# KiCad board Breakout_1999_Dodge_Dakota.kicad_pcb
title: 1999 Dodge Dakota Based on rusEFI/proteus; date: 2023-08-12; rev: R0.1; company: rusEFI
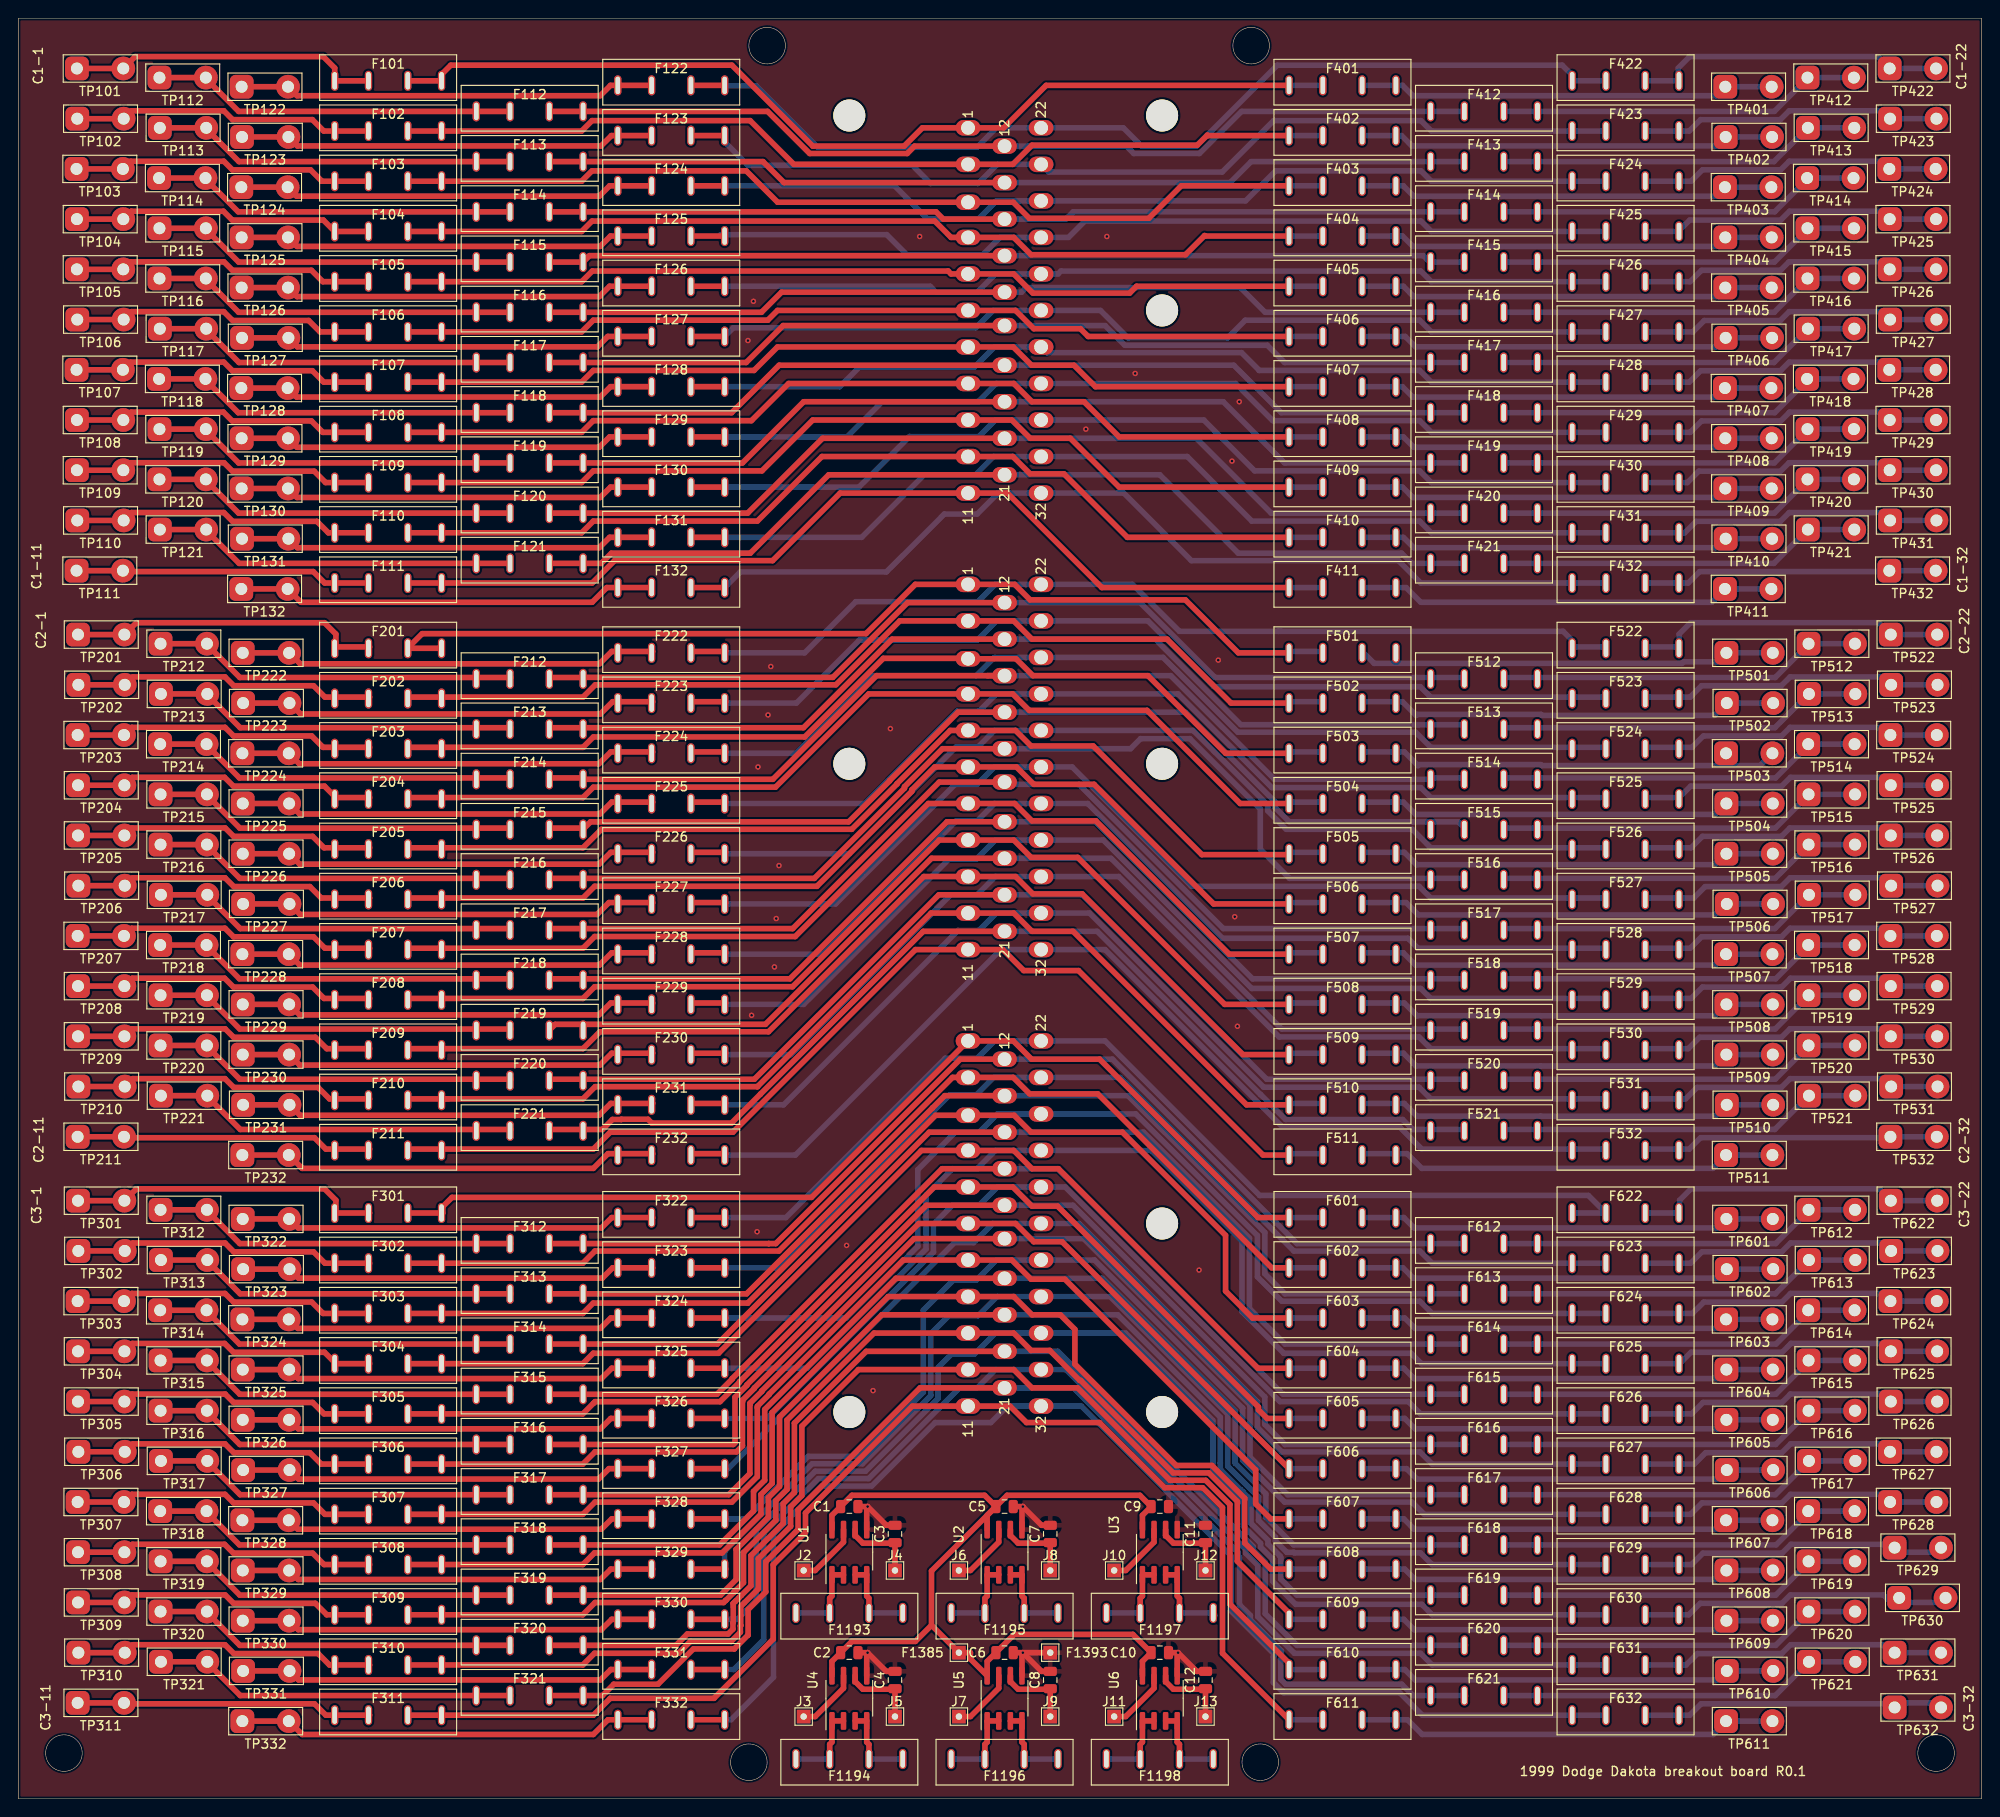
[diagram p0: board, top side]
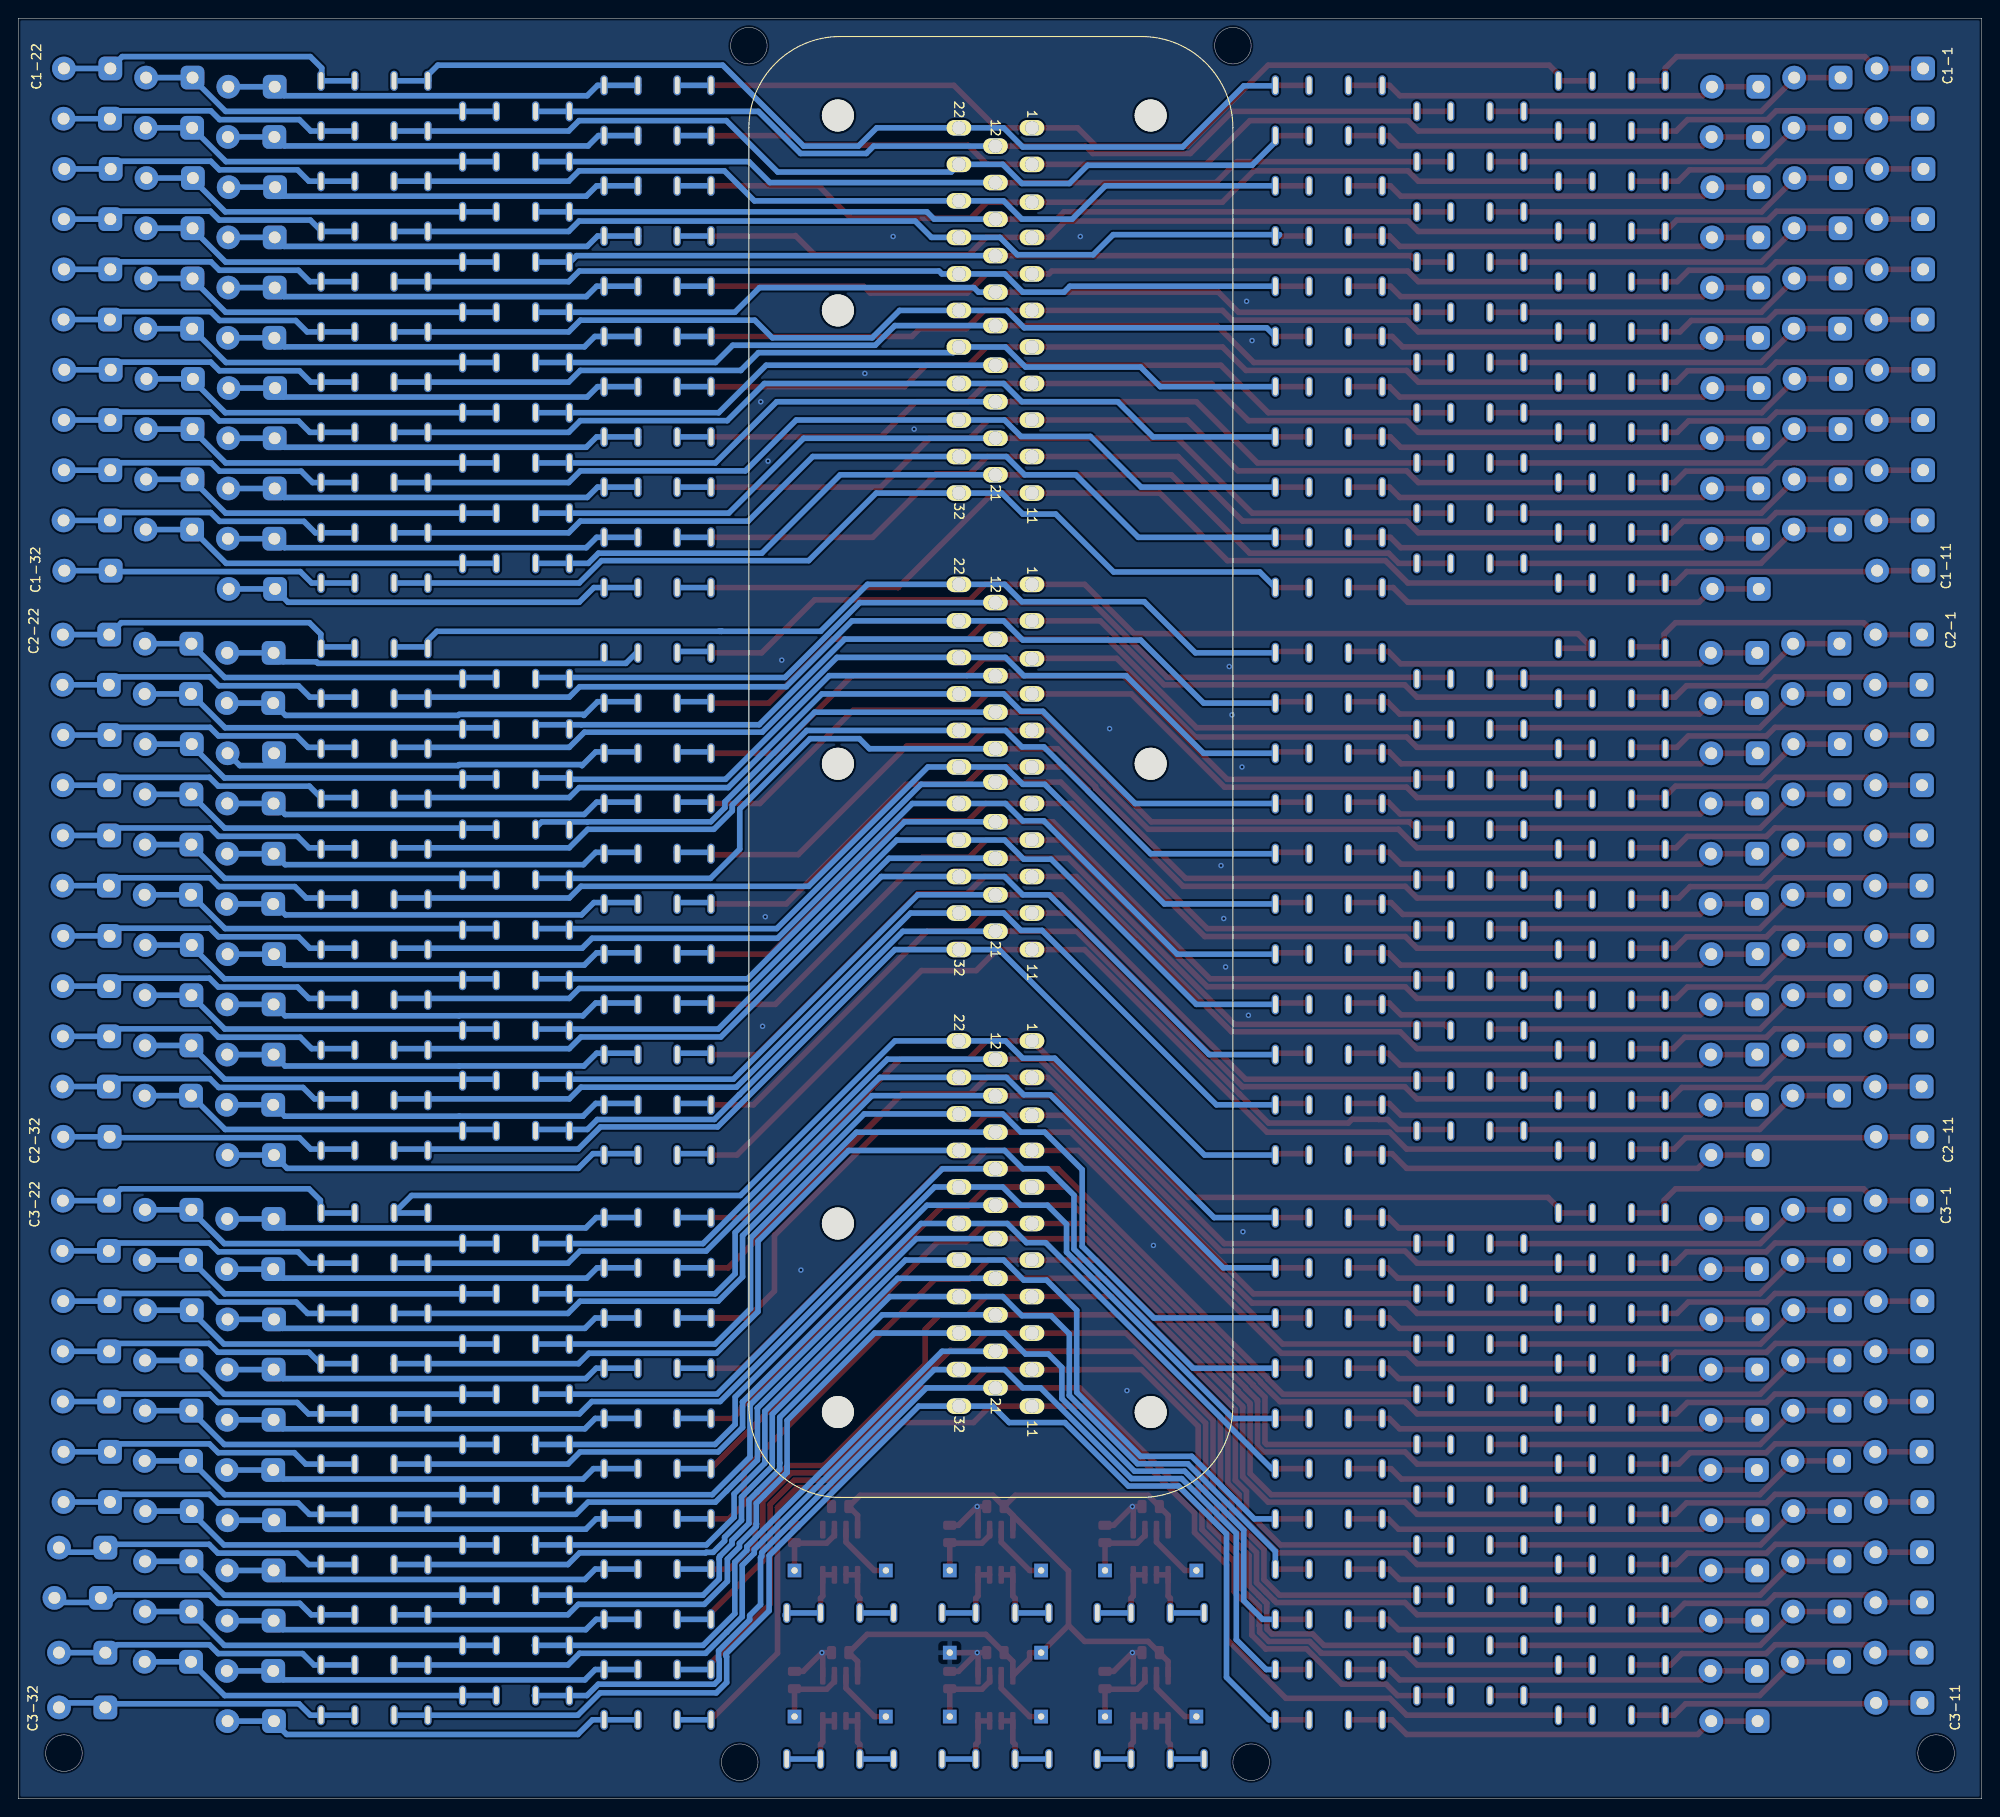
[diagram p1: board, bottom side, seen from below]

Outline 215 x 195 mm; copper layers: Top, Bottom. Coordinates in mm from the lower left corner of the outline.
Outline path: rectangle 0,195 215,0 ; circle c5,5 r2 ; circle c80,4 r2 ; circle c82,192 r2 ; circle c135,192 r2 ; circle c136,4 r2 ; circle c210,5 r2
Stack: Top 0.035mm / dielectric 0.48mm FR4 er 4.5 / Bottom 0.035mm

## Placement (name value [footprint] x y rotation side)
C1  100nf  [C_0805_2012Metric]  91 32 0 top
C2  100nf  [C_0805_2012Metric]  91 16 0 top
C3  1nf  [C_0805_2012Metric]  96 29 90 top
C4  1nf  [C_0805_2012Metric]  96 13 90 top
C5  100nf  [C_0805_2012Metric]  108 32 0 top
C6  100nf  [C_0805_2012Metric]  108 16 0 top
C7  1nf  [C_0805_2012Metric]  113 29 90 top
C8  1nf  [C_0805_2012Metric]  113 13 90 top
C9  100nf  [C_0805_2012Metric]  125 32 0 top
C10  100nf  [C_0805_2012Metric]  125 16 0 top
C11  1nf  [C_0805_2012Metric]  130 29 90 top
C12  1nf  [C_0805_2012Metric]  130 13 90 top
F101  Fuse_Holder  [LCSC_C2935870_Fuse_holder]  40.5 188.5 0 top
F102  Fuse_Holder  [LCSC_C2935870_Fuse_holder]  40.5 183 0 top
F103  Fuse_Holder  [LCSC_C2935870_Fuse_holder]  40.5 177.5 0 top
F104  Fuse_Holder  [LCSC_C2935870_Fuse_holder]  40.5 172 0 top
F105  Fuse_Holder  [LCSC_C2935870_Fuse_holder]  40.5 166.5 0 top
F106  Fuse_Holder  [LCSC_C2935870_Fuse_holder]  40.5 161 0 top
F107  Fuse_Holder  [LCSC_C2935870_Fuse_holder]  40.5 155.5 0 top
F108  Fuse_Holder  [LCSC_C2935870_Fuse_holder]  40.5 150 0 top
F109  Fuse_Holder  [LCSC_C2935870_Fuse_holder]  40.5 144.5 0 top
F110  Fuse_Holder  [LCSC_C2935870_Fuse_holder]  40.5 139 0 top
F111  Fuse_Holder  [LCSC_C2935870_Fuse_holder]  40.5 133.5 0 top
F112  Fuse_Holder  [LCSC_C2935870_Fuse_holder]  56 185.15 0 top
F113  Fuse_Holder  [LCSC_C2935870_Fuse_holder]  56 179.65 0 top
F114  Fuse_Holder  [LCSC_C2935870_Fuse_holder]  56 174.15 0 top
F115  Fuse_Holder  [LCSC_C2935870_Fuse_holder]  56 168.65 0 top
F116  Fuse_Holder  [LCSC_C2935870_Fuse_holder]  56 163.15 0 top
F117  Fuse_Holder  [LCSC_C2935870_Fuse_holder]  56 157.65 0 top
F118  Fuse_Holder  [LCSC_C2935870_Fuse_holder]  56 152.15 0 top
F119  Fuse_Holder  [LCSC_C2935870_Fuse_holder]  56 146.65 0 top
F120  Fuse_Holder  [LCSC_C2935870_Fuse_holder]  56 141.15 0 top
F121  Fuse_Holder  [LCSC_C2935870_Fuse_holder]  56 135.65 0 top
F122  Fuse_Holder  [LCSC_C2935870_Fuse_holder]  71.5 188 0 top
F123  Fuse_Holder  [LCSC_C2935870_Fuse_holder]  71.5 182.5 0 top
F124  Fuse_Holder  [LCSC_C2935870_Fuse_holder]  71.5 177 0 top
F125  Fuse_Holder  [LCSC_C2935870_Fuse_holder]  71.5 171.5 0 top
F126  Fuse_Holder  [LCSC_C2935870_Fuse_holder]  71.5 166 0 top
F127  Fuse_Holder  [LCSC_C2935870_Fuse_holder]  71.5 160.5 0 top
F128  Fuse_Holder  [LCSC_C2935870_Fuse_holder]  71.5 155 0 top
F129  Fuse_Holder  [LCSC_C2935870_Fuse_holder]  71.5 149.5 0 top
F130  Fuse_Holder  [LCSC_C2935870_Fuse_holder]  71.5 144 0 top
F131  Fuse_Holder  [LCSC_C2935870_Fuse_holder]  71.5 138.5 0 top
F132  Fuse_Holder  [LCSC_C2935870_Fuse_holder]  71.5 133 0 top
F201  Fuse_Holder  [LCSC_C2935870_Fuse_holder]  40.5 126.35 0 top
F202  Fuse_Holder  [LCSC_C2935870_Fuse_holder]  40.5 120.85 0 top
F203  Fuse_Holder  [LCSC_C2935870_Fuse_holder]  40.5 115.35 0 top
F204  Fuse_Holder  [LCSC_C2935870_Fuse_holder]  40.5 109.85 0 top
F205  Fuse_Holder  [LCSC_C2935870_Fuse_holder]  40.5 104.35 0 top
F206  Fuse_Holder  [LCSC_C2935870_Fuse_holder]  40.5 98.85 0 top
F207  Fuse_Holder  [LCSC_C2935870_Fuse_holder]  40.5 93.35 0 top
F208  Fuse_Holder  [LCSC_C2935870_Fuse_holder]  40.5 87.85 0 top
F209  Fuse_Holder  [LCSC_C2935870_Fuse_holder]  40.5 82.35 0 top
F210  Fuse_Holder  [LCSC_C2935870_Fuse_holder]  40.5 76.85 0 top
F211  Fuse_Holder  [LCSC_C2935870_Fuse_holder]  40.5 71.35 0 top
F212  Fuse_Holder  [LCSC_C2935870_Fuse_holder]  56 123 0 top
F213  Fuse_Holder  [LCSC_C2935870_Fuse_holder]  56 117.5 0 top
F214  Fuse_Holder  [LCSC_C2935870_Fuse_holder]  56 112 0 top
F215  Fuse_Holder  [LCSC_C2935870_Fuse_holder]  56 106.5 0 top
F216  Fuse_Holder  [LCSC_C2935870_Fuse_holder]  56 101 0 top
F217  Fuse_Holder  [LCSC_C2935870_Fuse_holder]  56 95.5 0 top
F218  Fuse_Holder  [LCSC_C2935870_Fuse_holder]  56 90 0 top
F219  Fuse_Holder  [LCSC_C2935870_Fuse_holder]  56 84.5 0 top
F220  Fuse_Holder  [LCSC_C2935870_Fuse_holder]  56 79 0 top
F221  Fuse_Holder  [LCSC_C2935870_Fuse_holder]  56 73.5 0 top
F222  Fuse_Holder  [LCSC_C2935870_Fuse_holder]  71.5 125.85 0 top
F223  Fuse_Holder  [LCSC_C2935870_Fuse_holder]  71.5 120.35 0 top
F224  Fuse_Holder  [LCSC_C2935870_Fuse_holder]  71.5 114.85 0 top
F225  Fuse_Holder  [LCSC_C2935870_Fuse_holder]  71.5 109.35 0 top
F226  Fuse_Holder  [LCSC_C2935870_Fuse_holder]  71.5 103.85 0 top
F227  Fuse_Holder  [LCSC_C2935870_Fuse_holder]  71.5 98.35 0 top
F228  Fuse_Holder  [LCSC_C2935870_Fuse_holder]  71.5 92.85 0 top
F229  Fuse_Holder  [LCSC_C2935870_Fuse_holder]  71.5 87.35 0 top
F230  Fuse_Holder  [LCSC_C2935870_Fuse_holder]  71.5 81.85 0 top
F231  Fuse_Holder  [LCSC_C2935870_Fuse_holder]  71.5 76.35 0 top
F232  Fuse_Holder  [LCSC_C2935870_Fuse_holder]  71.5 70.85 0 top
F301  Fuse_Holder  [LCSC_C2935870_Fuse_holder]  40.5 64.5 0 top
F302  Fuse_Holder  [LCSC_C2935870_Fuse_holder]  40.5 59 0 top
F303  Fuse_Holder  [LCSC_C2935870_Fuse_holder]  40.5 53.5 0 top
F304  Fuse_Holder  [LCSC_C2935870_Fuse_holder]  40.5 48 0 top
F305  Fuse_Holder  [LCSC_C2935870_Fuse_holder]  40.5 42.5 0 top
F306  Fuse_Holder  [LCSC_C2935870_Fuse_holder]  40.5 37 0 top
F307  Fuse_Holder  [LCSC_C2935870_Fuse_holder]  40.5 31.5 0 top
F308  Fuse_Holder  [LCSC_C2935870_Fuse_holder]  40.5 26 0 top
F309  Fuse_Holder  [LCSC_C2935870_Fuse_holder]  40.5 20.5 0 top
F310  Fuse_Holder  [LCSC_C2935870_Fuse_holder]  40.5 15 0 top
F311  Fuse_Holder  [LCSC_C2935870_Fuse_holder]  40.5 9.5 0 top
F312  Fuse_Holder  [LCSC_C2935870_Fuse_holder]  56 61.15 0 top
F313  Fuse_Holder  [LCSC_C2935870_Fuse_holder]  56 55.65 0 top
F314  Fuse_Holder  [LCSC_C2935870_Fuse_holder]  56 50.15 0 top
F315  Fuse_Holder  [LCSC_C2935870_Fuse_holder]  56 44.65 0 top
F316  Fuse_Holder  [LCSC_C2935870_Fuse_holder]  56 39.15 0 top
F317  Fuse_Holder  [LCSC_C2935870_Fuse_holder]  56 33.65 0 top
F318  Fuse_Holder  [LCSC_C2935870_Fuse_holder]  56 28.15 0 top
F319  Fuse_Holder  [LCSC_C2935870_Fuse_holder]  56 22.65 0 top
F320  Fuse_Holder  [LCSC_C2935870_Fuse_holder]  56 17.15 0 top
F321  Fuse_Holder  [LCSC_C2935870_Fuse_holder]  56 11.65 0 top
F322  Fuse_Holder  [LCSC_C2935870_Fuse_holder]  71.5 64 0 top
F323  Fuse_Holder  [LCSC_C2935870_Fuse_holder]  71.5 58.5 0 top
F324  Fuse_Holder  [LCSC_C2935870_Fuse_holder]  71.5 53 0 top
F325  Fuse_Holder  [LCSC_C2935870_Fuse_holder]  71.5 47.5 0 top
F326  Fuse_Holder  [LCSC_C2935870_Fuse_holder]  71.5 42 0 top
F327  Fuse_Holder  [LCSC_C2935870_Fuse_holder]  71.5 36.5 0 top
F328  Fuse_Holder  [LCSC_C2935870_Fuse_holder]  71.5 31 0 top
F329  Fuse_Holder  [LCSC_C2935870_Fuse_holder]  71.5 25.5 0 top
F330  Fuse_Holder  [LCSC_C2935870_Fuse_holder]  71.5 20 0 top
F331  Fuse_Holder  [LCSC_C2935870_Fuse_holder]  71.5 14.5 0 top
F332  Fuse_Holder  [LCSC_C2935870_Fuse_holder]  71.5 9 0 top
F401  Fuse_Holder  [LCSC_C2935870_Fuse_holder]  145 188 0 top
F402  Fuse_Holder  [LCSC_C2935870_Fuse_holder]  145 182.5 0 top
F403  Fuse_Holder  [LCSC_C2935870_Fuse_holder]  145 177 0 top
F404  Fuse_Holder  [LCSC_C2935870_Fuse_holder]  145 171.5 0 top
F405  Fuse_Holder  [LCSC_C2935870_Fuse_holder]  145 166 0 top
F406  Fuse_Holder  [LCSC_C2935870_Fuse_holder]  145 160.5 0 top
F407  Fuse_Holder  [LCSC_C2935870_Fuse_holder]  145 155 0 top
F408  Fuse_Holder  [LCSC_C2935870_Fuse_holder]  145 149.5 0 top
F409  Fuse_Holder  [LCSC_C2935870_Fuse_holder]  145 144 0 top
F410  Fuse_Holder  [LCSC_C2935870_Fuse_holder]  145 138.5 0 top
F411  Fuse_Holder  [LCSC_C2935870_Fuse_holder]  145 133 0 top
F412  Fuse_Holder  [LCSC_C2935870_Fuse_holder]  160.5 185.15 0 top
F413  Fuse_Holder  [LCSC_C2935870_Fuse_holder]  160.5 179.65 0 top
F414  Fuse_Holder  [LCSC_C2935870_Fuse_holder]  160.5 174.15 0 top
F415  Fuse_Holder  [LCSC_C2935870_Fuse_holder]  160.5 168.65 0 top
F416  Fuse_Holder  [LCSC_C2935870_Fuse_holder]  160.5 163.15 0 top
F417  Fuse_Holder  [LCSC_C2935870_Fuse_holder]  160.5 157.65 0 top
F418  Fuse_Holder  [LCSC_C2935870_Fuse_holder]  160.5 152.15 0 top
F419  Fuse_Holder  [LCSC_C2935870_Fuse_holder]  160.5 146.65 0 top
F420  Fuse_Holder  [LCSC_C2935870_Fuse_holder]  160.5 141.15 0 top
F421  Fuse_Holder  [LCSC_C2935870_Fuse_holder]  160.5 135.65 0 top
F422  Fuse_Holder  [LCSC_C2935870_Fuse_holder]  176 188.5 0 top
F423  Fuse_Holder  [LCSC_C2935870_Fuse_holder]  176 183 0 top
F424  Fuse_Holder  [LCSC_C2935870_Fuse_holder]  176 177.5 0 top
F425  Fuse_Holder  [LCSC_C2935870_Fuse_holder]  176 172 0 top
F426  Fuse_Holder  [LCSC_C2935870_Fuse_holder]  176 166.5 0 top
F427  Fuse_Holder  [LCSC_C2935870_Fuse_holder]  176 161 0 top
F428  Fuse_Holder  [LCSC_C2935870_Fuse_holder]  176 155.5 0 top
F429  Fuse_Holder  [LCSC_C2935870_Fuse_holder]  176 150 0 top
F430  Fuse_Holder  [LCSC_C2935870_Fuse_holder]  176 144.5 0 top
F431  Fuse_Holder  [LCSC_C2935870_Fuse_holder]  176 139 0 top
F432  Fuse_Holder  [LCSC_C2935870_Fuse_holder]  176 133.5 0 top
F501  Fuse_Holder  [LCSC_C2935870_Fuse_holder]  145 125.85 0 top
F502  Fuse_Holder  [LCSC_C2935870_Fuse_holder]  145 120.35 0 top
F503  Fuse_Holder  [LCSC_C2935870_Fuse_holder]  145 114.85 0 top
F504  Fuse_Holder  [LCSC_C2935870_Fuse_holder]  145 109.35 0 top
F505  Fuse_Holder  [LCSC_C2935870_Fuse_holder]  145 103.85 0 top
F506  Fuse_Holder  [LCSC_C2935870_Fuse_holder]  145 98.35 0 top
F507  Fuse_Holder  [LCSC_C2935870_Fuse_holder]  145 92.85 0 top
F508  Fuse_Holder  [LCSC_C2935870_Fuse_holder]  145 87.35 0 top
F509  Fuse_Holder  [LCSC_C2935870_Fuse_holder]  145 81.85 0 top
F510  Fuse_Holder  [LCSC_C2935870_Fuse_holder]  145 76.35 0 top
F511  Fuse_Holder  [LCSC_C2935870_Fuse_holder]  145 70.85 0 top
F512  Fuse_Holder  [LCSC_C2935870_Fuse_holder]  160.5 123 0 top
F513  Fuse_Holder  [LCSC_C2935870_Fuse_holder]  160.5 117.5 0 top
F514  Fuse_Holder  [LCSC_C2935870_Fuse_holder]  160.5 112 0 top
F515  Fuse_Holder  [LCSC_C2935870_Fuse_holder]  160.5 106.5 0 top
F516  Fuse_Holder  [LCSC_C2935870_Fuse_holder]  160.5 101 0 top
F517  Fuse_Holder  [LCSC_C2935870_Fuse_holder]  160.5 95.5 0 top
F518  Fuse_Holder  [LCSC_C2935870_Fuse_holder]  160.5 90 0 top
F519  Fuse_Holder  [LCSC_C2935870_Fuse_holder]  160.5 84.5 0 top
F520  Fuse_Holder  [LCSC_C2935870_Fuse_holder]  160.5 79 0 top
F521  Fuse_Holder  [LCSC_C2935870_Fuse_holder]  160.5 73.5 0 top
F522  Fuse_Holder  [LCSC_C2935870_Fuse_holder]  176 126.35 0 top
F523  Fuse_Holder  [LCSC_C2935870_Fuse_holder]  176 120.85 0 top
F524  Fuse_Holder  [LCSC_C2935870_Fuse_holder]  176 115.35 0 top
F525  Fuse_Holder  [LCSC_C2935870_Fuse_holder]  176 109.85 0 top
F526  Fuse_Holder  [LCSC_C2935870_Fuse_holder]  176 104.35 0 top
F527  Fuse_Holder  [LCSC_C2935870_Fuse_holder]  176 98.85 0 top
F528  Fuse_Holder  [LCSC_C2935870_Fuse_holder]  176 93.35 0 top
F529  Fuse_Holder  [LCSC_C2935870_Fuse_holder]  176 87.85 0 top
F530  Fuse_Holder  [LCSC_C2935870_Fuse_holder]  176 82.35 0 top
F531  Fuse_Holder  [LCSC_C2935870_Fuse_holder]  176 76.85 0 top
F532  Fuse_Holder  [LCSC_C2935870_Fuse_holder]  176 71.35 0 top
F601  Fuse_Holder  [LCSC_C2935870_Fuse_holder]  145 64 0 top
F602  Fuse_Holder  [LCSC_C2935870_Fuse_holder]  145 58.5 0 top
F603  Fuse_Holder  [LCSC_C2935870_Fuse_holder]  145 53 0 top
F604  Fuse_Holder  [LCSC_C2935870_Fuse_holder]  145 47.5 0 top
F605  Fuse_Holder  [LCSC_C2935870_Fuse_holder]  145 42 0 top
F606  Fuse_Holder  [LCSC_C2935870_Fuse_holder]  145 36.5 0 top
F607  Fuse_Holder  [LCSC_C2935870_Fuse_holder]  145 31 0 top
F608  Fuse_Holder  [LCSC_C2935870_Fuse_holder]  145 25.5 0 top
F609  Fuse_Holder  [LCSC_C2935870_Fuse_holder]  145 20 0 top
F610  Fuse_Holder  [LCSC_C2935870_Fuse_holder]  145 14.5 0 top
F611  Fuse_Holder  [LCSC_C2935870_Fuse_holder]  145 9 0 top
F612  Fuse_Holder  [LCSC_C2935870_Fuse_holder]  160.5 61.15 0 top
F613  Fuse_Holder  [LCSC_C2935870_Fuse_holder]  160.5 55.65 0 top
F614  Fuse_Holder  [LCSC_C2935870_Fuse_holder]  160.5 50.15 0 top
F615  Fuse_Holder  [LCSC_C2935870_Fuse_holder]  160.5 44.65 0 top
F616  Fuse_Holder  [LCSC_C2935870_Fuse_holder]  160.5 39.15 0 top
F617  Fuse_Holder  [LCSC_C2935870_Fuse_holder]  160.5 33.65 0 top
F618  Fuse_Holder  [LCSC_C2935870_Fuse_holder]  160.5 28.15 0 top
F619  Fuse_Holder  [LCSC_C2935870_Fuse_holder]  160.5 22.65 0 top
F620  Fuse_Holder  [LCSC_C2935870_Fuse_holder]  160.5 17.15 0 top
F621  Fuse_Holder  [LCSC_C2935870_Fuse_holder]  160.5 11.65 0 top
F622  Fuse_Holder  [LCSC_C2935870_Fuse_holder]  176 64.5 0 top
F623  Fuse_Holder  [LCSC_C2935870_Fuse_holder]  176 59 0 top
F624  Fuse_Holder  [LCSC_C2935870_Fuse_holder]  176 53.5 0 top
F625  Fuse_Holder  [LCSC_C2935870_Fuse_holder]  176 48 0 top
F626  Fuse_Holder  [LCSC_C2935870_Fuse_holder]  176 42.5 0 top
F627  Fuse_Holder  [LCSC_C2935870_Fuse_holder]  176 37 0 top
F628  Fuse_Holder  [LCSC_C2935870_Fuse_holder]  176 31.5 0 top
F629  Fuse_Holder  [LCSC_C2935870_Fuse_holder]  176 26 0 top
F630  Fuse_Holder  [LCSC_C2935870_Fuse_holder]  176 20.5 0 top
F631  Fuse_Holder  [LCSC_C2935870_Fuse_holder]  176 15 0 top
F632  Fuse_Holder  [LCSC_C2935870_Fuse_holder]  176 9.5 0 top
F1193  Fuse_Holder  [LCSC_C2935870_Fuse_holder]  91 20 180 top
F1194  Fuse_Holder  [LCSC_C2935870_Fuse_holder]  91 4 180 top
F1195  Fuse_Holder  [LCSC_C2935870_Fuse_holder]  108 20 180 top
F1196  Fuse_Holder  [LCSC_C2935870_Fuse_holder]  108 4 180 top
F1197  Fuse_Holder  [LCSC_C2935870_Fuse_holder]  125 20 180 top
F1198  Fuse_Holder  [LCSC_C2935870_Fuse_holder]  125 4 180 top
F1385  Pig_Con  [TestPoint_THTPad_1.5x1.5mm_Drill0.7mm]  103 16 180 top
F1393  Pig_Con  [TestPoint_THTPad_1.5x1.5mm_Drill0.7mm]  113 16 0 top
J1  Dodge_Con  [1999_Dodge_Connector_32x3cons]  104 183 270 bottom
J2  Pig_Con  [TestPoint_THTPad_1.5x1.5mm_Drill0.7mm]  86 25 0 top
J3  Pig_Con  [TestPoint_THTPad_1.5x1.5mm_Drill0.7mm]  86 9 0 top
J4  Pig_Con  [TestPoint_THTPad_1.5x1.5mm_Drill0.7mm]  96 25 0 top
J5  Pig_Con  [TestPoint_THTPad_1.5x1.5mm_Drill0.7mm]  96 9 0 top
J6  Pig_Con  [TestPoint_THTPad_1.5x1.5mm_Drill0.7mm]  103 25 0 top
J7  Pig_Con  [TestPoint_THTPad_1.5x1.5mm_Drill0.7mm]  103 9 0 top
J8  Pig_Con  [TestPoint_THTPad_1.5x1.5mm_Drill0.7mm]  113 25 0 top
J9  Pig_Con  [TestPoint_THTPad_1.5x1.5mm_Drill0.7mm]  113 9 0 top
J10  Pig_Con  [TestPoint_THTPad_1.5x1.5mm_Drill0.7mm]  120 25 0 top
J11  Pig_Con  [TestPoint_THTPad_1.5x1.5mm_Drill0.7mm]  120 9 0 top
J12  Pig_Con  [TestPoint_THTPad_1.5x1.5mm_Drill0.7mm]  130 25 0 top
J13  Pig_Con  [TestPoint_THTPad_1.5x1.5mm_Drill0.7mm]  130 9 0 top
TP101  TestPoint_2Pole  [TestPoint_2Pads_Pitch5.08mm_Drill1.3mm]  6.42 189.5 0 top
TP102  TestPoint_2Pole  [TestPoint_2Pads_Pitch5.08mm_Drill1.3mm]  6.46 184 0 top
TP103  TestPoint_2Pole  [TestPoint_2Pads_Pitch5.08mm_Drill1.3mm]  6.38 178.5 0 top
TP104  TestPoint_2Pole  [TestPoint_2Pads_Pitch5.08mm_Drill1.3mm]  6.42 173 0 top
TP105  TestPoint_2Pole  [TestPoint_2Pads_Pitch5.08mm_Drill1.3mm]  6.42 167.5 0 top
TP106  TestPoint_2Pole  [TestPoint_2Pads_Pitch5.08mm_Drill1.3mm]  6.46 162 0 top
TP107  TestPoint_2Pole  [TestPoint_2Pads_Pitch5.08mm_Drill1.3mm]  6.38 156.5 0 top
TP108  TestPoint_2Pole  [TestPoint_2Pads_Pitch5.08mm_Drill1.3mm]  6.42 151 0 top
TP109  TestPoint_2Pole  [TestPoint_2Pads_Pitch5.08mm_Drill1.3mm]  6.42 145.5 0 top
TP110  TestPoint_2Pole  [TestPoint_2Pads_Pitch5.08mm_Drill1.3mm]  6.46 140 0 top
TP111  TestPoint_2Pole  [TestPoint_2Pads_Pitch5.08mm_Drill1.3mm]  6.38 134.5 0 top
TP112  TestPoint_2Pole  [TestPoint_2Pads_Pitch5.08mm_Drill1.3mm]  15.46 188.5 0 top
TP113  TestPoint_2Pole  [TestPoint_2Pads_Pitch5.08mm_Drill1.3mm]  15.5 183 0 top
TP114  TestPoint_2Pole  [TestPoint_2Pads_Pitch5.08mm_Drill1.3mm]  15.42 177.5 0 top
TP115  TestPoint_2Pole  [TestPoint_2Pads_Pitch5.08mm_Drill1.3mm]  15.46 172 0 top
TP116  TestPoint_2Pole  [TestPoint_2Pads_Pitch5.08mm_Drill1.3mm]  15.46 166.5 0 top
TP117  TestPoint_2Pole  [TestPoint_2Pads_Pitch5.08mm_Drill1.3mm]  15.5 161 0 top
TP118  TestPoint_2Pole  [TestPoint_2Pads_Pitch5.08mm_Drill1.3mm]  15.42 155.5 0 top
TP119  TestPoint_2Pole  [TestPoint_2Pads_Pitch5.08mm_Drill1.3mm]  15.46 150 0 top
TP120  TestPoint_2Pole  [TestPoint_2Pads_Pitch5.08mm_Drill1.3mm]  15.46 144.5 0 top
TP121  TestPoint_2Pole  [TestPoint_2Pads_Pitch5.08mm_Drill1.3mm]  15.5 139 0 top
TP122  TestPoint_2Pole  [TestPoint_2Pads_Pitch5.08mm_Drill1.3mm]  24.46 187.5 0 top
TP123  TestPoint_2Pole  [TestPoint_2Pads_Pitch5.08mm_Drill1.3mm]  24.5 182 0 top
TP124  TestPoint_2Pole  [TestPoint_2Pads_Pitch5.08mm_Drill1.3mm]  24.42 176.5 0 top
TP125  TestPoint_2Pole  [TestPoint_2Pads_Pitch5.08mm_Drill1.3mm]  24.46 171 0 top
TP126  TestPoint_2Pole  [TestPoint_2Pads_Pitch5.08mm_Drill1.3mm]  24.46 165.5 0 top
TP127  TestPoint_2Pole  [TestPoint_2Pads_Pitch5.08mm_Drill1.3mm]  24.5 160 0 top
TP128  TestPoint_2Pole  [TestPoint_2Pads_Pitch5.08mm_Drill1.3mm]  24.42 154.5 0 top
TP129  TestPoint_2Pole  [TestPoint_2Pads_Pitch5.08mm_Drill1.3mm]  24.46 149 0 top
TP130  TestPoint_2Pole  [TestPoint_2Pads_Pitch5.08mm_Drill1.3mm]  24.46 143.5 0 top
TP131  TestPoint_2Pole  [TestPoint_2Pads_Pitch5.08mm_Drill1.3mm]  24.5 138 0 top
TP132  TestPoint_2Pole  [TestPoint_2Pads_Pitch5.08mm_Drill1.3mm]  24.42 132.5 0 top
TP201  TestPoint_2Pole  [TestPoint_2Pads_Pitch5.08mm_Drill1.3mm]  6.54 127.5 0 top
TP202  TestPoint_2Pole  [TestPoint_2Pads_Pitch5.08mm_Drill1.3mm]  6.58 122 0 top
TP203  TestPoint_2Pole  [TestPoint_2Pads_Pitch5.08mm_Drill1.3mm]  6.5 116.5 0 top
TP204  TestPoint_2Pole  [TestPoint_2Pads_Pitch5.08mm_Drill1.3mm]  6.54 111 0 top
TP205  TestPoint_2Pole  [TestPoint_2Pads_Pitch5.08mm_Drill1.3mm]  6.54 105.5 0 top
TP206  TestPoint_2Pole  [TestPoint_2Pads_Pitch5.08mm_Drill1.3mm]  6.58 100 0 top
TP207  TestPoint_2Pole  [TestPoint_2Pads_Pitch5.08mm_Drill1.3mm]  6.5 94.5 0 top
TP208  TestPoint_2Pole  [TestPoint_2Pads_Pitch5.08mm_Drill1.3mm]  6.54 89 0 top
TP209  TestPoint_2Pole  [TestPoint_2Pads_Pitch5.08mm_Drill1.3mm]  6.54 83.5 0 top
TP210  TestPoint_2Pole  [TestPoint_2Pads_Pitch5.08mm_Drill1.3mm]  6.58 78 0 top
TP211  TestPoint_2Pole  [TestPoint_2Pads_Pitch5.08mm_Drill1.3mm]  6.5 72.5 0 top
TP212  TestPoint_2Pole  [TestPoint_2Pads_Pitch5.08mm_Drill1.3mm]  15.58 126.5 0 top
TP213  TestPoint_2Pole  [TestPoint_2Pads_Pitch5.08mm_Drill1.3mm]  15.62 121 0 top